# Altium PCB RTv1.4.PcbDoc (part 2 of 2)
Units mm, origin at the board's own origin, x right, y up, seen from the top; angles counter-clockwise.
Board outline 89.43 x 42.95 mm, 4 copper layers (Top Layer, Layer GND, Layer VCC, Bottom Layer), stack 0.568 mm thick; 131 components, 210 nets, 644 pads, 229 vias.
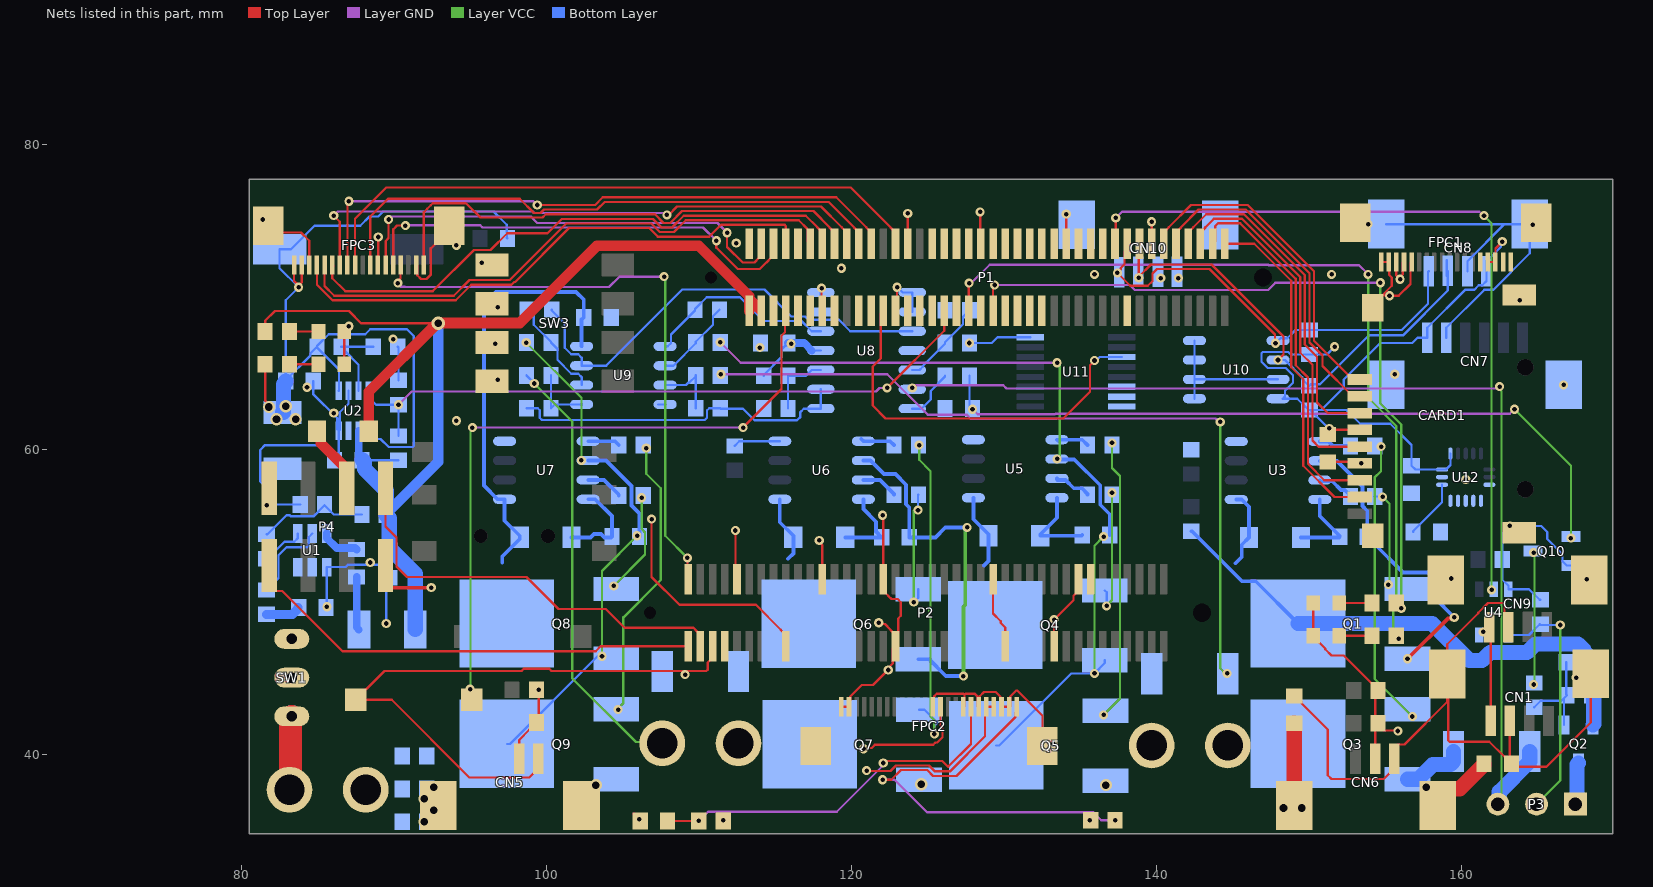
[diagram p4: the nets of this part, all layers, seen from the top]

## Via types
v1: diameter 0.6, hole 0.3, Top Layer to Bottom Layer, tented both sides, 210 vias
v2: diameter 0.8, hole 0.5, Top Layer to Bottom Layer, tented both sides, 14 vias
v3: diameter 0.6, hole 0.3, Top Layer to Bottom Layer, 4 vias
v4: diameter 0.9, hole 0.5, Top Layer to Bottom Layer, tented both sides, 1 vias

## Nets (pads, with @x,y where several pads share a name; then routed paths per layer and width w, separated by ;. In a path a pad name is that pad's centre, name@x,y a point inside that pad or via, vN(x,y) a via of type N, cw(c..) or ccw(c..) an arc to the next point about the centre after c; other vN are vias at no path point) (continued)
GND: C2.1 C3.1 C4.1 C5.1 C11.1 C12.1 C13.1 C14.1 C15.1 C17.1 C18.2 CARD1.6 CARD1.10 CARD1.11 CARD1.12 CARD1.13 CN1.2 CN1.5 CN1.6 CN2.2 CN5.1 CN6.1 CN7.2 CN7.7 CN7.8 CN8.2 CN8.5 CN8.6 CN9.2 CN9.5 CN9.6 CN10.2 CN10.5 CN10.6 FPC1.1 FPC1.2 FPC1.5 FPC1.14 FPC1.17 FPC1.18 FPC1.19 FPC1.20 FPC2.1 FPC2.2 FPC2.13 FPC2.17 FPC2.19 FPC2.22 FPC2.23 FPC2.25 FPC2.26 FPC3.2 FPC3.7 FPC3.16 FPC3.19 FPC3.20 KEY1.1 L3.1 L5.1 LED1.2 LED2.2 P1.13 P1.18 P1.27 P1.38 P1.41 P1.53 P1.54 P1.76 P1.79 P2.15 P2.20 P2.28 P2.29 P2.46 P2.47 P2.57 P2.64 P2.71 P2.76 P4.2 Q10.2 R5.1 R8.2 R10.2 R16.1 R32.1 R41.1 R45.1 R50.1 R51.1 R52.1 R59.1 R60.1 SW3.5 SW3.6 SW3.7 U1.1 U2.4 U2.6 U3.4 U4.3 U5.4 U6.4 U7.4 U8.11 U9.4 U10.1 U10.2 U10.3 U10.4 U10.7 U11.6 U11.7 U11.8 U12.8 U12.9 U12.10 U12.11 U12.12 U12.13 U12.15 | length 268.7
  Top Layer w0.15: FPC3.19@81.76,74.687 82.197,74.25 83.9,74.25 84.45,73.7 FPC3.16@84.45,72.112 ; LED2.2@86.75,65.6 LED1.2@86.75,67.75 ; FPC3.7@88.95,72.112 88.963,72.125 88.963,73.937 v1(88.975,73.95) ; FPC3.2@91.45,72.112 91.525,72.037 91.525,71.444 91.77,71.2 92.131,71.2 92.423,71.492 92.423,73.22 93.64,74.437 FPC3.20@93.64,74.687 ; CN5.1@99.463,39.744 99.463,39.094 98.873,38.504 94.946,38.504 89.85,43.6 KEY1.1@87.5,43.6 87.5,43.65 88.125,44.275 88.175,44.275 89.383,45.483 98.366,45.483 98.508,45.625 100.192,45.625 100.334,45.483 110.487,45.483 110.575,45.571 110.575,46.025 110.9,46.35 P2.76@110.9,47.1 ; C15.1@105.725,36.125 106.15,35.7 C15.1@106.15,35.65 ; v1(106.9,55.45) 106.9,51.65 108.725,49.825 113.743,49.825 115.375,48.193 115.375,48.175 115.7,47.85 P2.64@115.7,47.1 ; v1(112.4,54.7) 112.4,51.6 P2.71@112.5,51.5 P2.71@112.5,50.75 ; FPC2.26@117.66,40.563 117.66,40.66 117.75,40.75 FPC2.26@117.75,40.222 ; v1(117.9,54.05) 117.9,53.928 118.1,53.728 P2.57@118.1,51.5 P2.57@118.05,51.45 ; FPC2.1@119.35,43.138 FPC2.2@119.85,43.138 119.85,43.5 119.925,43.575 119.925,43.806 120.684,44.565 121.415,44.565 122.4,45.55 v1(122.421,45.55) 122.421,45.672 122.725,45.976 122.725,46.775 122.8,46.85 122.725,46.925 P2.46@122.9,47.1 122.9,47.65 122.9,47.85 P2.46@122.737,48.013 ; v1(121.8,48.65) 121.886,48.564 122.204,48.564 122.575,48.193 122.575,48.175 P2.46@122.737,48.013 ; v1(122.05,55.7) 122.1,55.65 P2.47@122.1,51.5 122.1,50.75 122.425,50.425 122.425,50.407 122.628,50.203 123.047,50.203 123.25,50 123.25,49.1 123.075,48.925 123.075,48.025 123.062,48.013 P2.46@122.737,48.013 ; P1.53@123.7,73.5 v1(123.7,75.5) ; FPC2.13@125.35,43.138 125.425,43.212 125.425,43.806 125.607,43.988 127.362,43.988 127.425,43.925 ; FPC2.17@127.35,43.138 127.425,43.212 127.425,43.925 ; v1(128.45,75.6) 128.45,73.55 P1.41@128.5,73.5 ; P2.29@129.3,51.5 129.3,49.25 129.8,48.75 129.8,48.628 130.1,48.328 P2.28@130.1,47.1 ; FPC2.25@132.54,40.313 FPC2.25@132.54,40.563 132.54,42.541 130.877,44.203 130.822,44.203 130.425,43.806 130.425,43.212 FPC2.23@130.35,43.138 FPC2.22@129.85,43.138 129.775,43.213 129.775,43.806 129.48,44.1 128.7,44.1 128.425,43.825 128.425,43.212 FPC2.19@128.35,43.138 128.275,43.213 128.275,43.806 128.081,44 127.5,44 127.425,43.925 ; P2.20@133.3,47.1 v1(133.3,48.85) 134.575,50.125 134.575,50.425 134.9,50.75 P2.15@134.9,51.5 ; P1.27@134.1,73.5 v1(134.1,75.45) ; P1.13@139.7,73.5 v1(139.7,74.95) ; L5.1@149.05,43.85 149.1,43.85 149.525,43.425 149.525,43.375 151.249,41.651 151.249,38.653 151.502,38.4 154.92,38.4 155.613,39.094 CN6.1@155.613,39.744 155.613,40.394 155.888,40.669 156.294,40.669 159.095,43.47 159.095,44.905 159.15,44.85 159.15,40.938 159.238,40.85 161.85,40.85 162.825,39.875 162.875,39.875 L3.1@163.186,39.564 ; C14.1@151.25,59.2 153.247,59.2 CARD1.6@153.347,59.1 ; CARD1.13@154.2,69.301 154.2,69.501 CARD1.13@154.825,70.126 ; FPC1.18@154.75,72.312 FPC1.17@155.25,72.312 155.288,72.275 155.288,71.462 155.45,71.3 155.45,70.751 CARD1.13@154.825,70.126 ; v1@155.157,70.126 CARD1.13@154.825,70.126 ; v1(155.3,70.1) 155.9,70.1 156.675,70.875 156.675,72.237 FPC1.14@156.75,72.312 ; CN1.6@158.64,45.75 CN1.6@159.095,45.295 159.095,47.245 161.122,49.272 161.122,49.31 161.762,49.95 162.762,49.95 162.85,49.862 162.85,48.593 CN9.2@163.086,48.356 ; CN1.2@163.186,42.206 L3.1@163.186,39.564 ; CN1.5@168.505,45.296 168.505,42.105 165.6,39.2 163.5,39.2 L3.1@163.3,39.4 163.3,39.45 L3.1@163.186,39.564
  Bottom Layer w0.15: v1(81.65,56.35) v1@81.65,56.4 ; R5.1@83.85,56.4 v1@81.65,56.4 ; C5.1@84.7,64.5 84.7,63.65 86.275,62.075 86.275,61.345 U2.4@86.38,61.24 ; C3.1@85.55,49.65 v1(85.6,49.7) U1.1@85.6,52.3 86.832,52.3 86.982,52.45 89,52.45 89.225,52.225 89.225,52.025 89.65,51.6 89.5,51.45 v1(89.5,48.6) ; U2.6@87.02,63.86 87.02,63.02 86.45,62.45 86.45,61.31 U2.4@86.38,61.24 ; R10.2@90.25,66.75 90.3,66.7 R8.2@90.3,64.55 ; U9.4@107.331,62.969 U9.4@107.79,62.969 ; R51.1@112.35,60.25 112.655,60.555 U6.4@115.31,60.555 ; U10.1@142.51,63.345 U10.2@142.51,64.615 ; U10.4@142.51,67.155 U10.3@142.51,65.885 U10.2@142.51,64.615 ; U10.7@147.99,64.615 U10.2@142.51,64.615 ; CN8.5@155.095,74.796 CN8.5@155.095,74.796 162.852,74.795 ; CN7.2@159.025,67.343 159.025,67.995 161.512,70.481 162.107,70.481 164.505,72.88 CN8.6@164.505,74.795 162.852,74.795 ; CN8.2@160.414,71.706 160.414,72.356 162.852,74.795 ; R16.1@165.2,50.15 165.15,50.15 164.45,50.85 U4.3@163.1,50.85 163.1,51.075 162.7,51.475 R50.1@162.7,52.8 162.7,54.5 v1(163.2,55) 165.25,55 165.65,54.6 165.65,54.137 166.65,53.138 166.65,52.675 166.925,52.4 Q10.2@167.2,52.4 167.475,52.4 168.164,51.711 168.164,51.586 v1(168.25,51.5) ; v1@81.65,56.4 81.65,57.482 81.225,57.907 81.225,59.975 81.55,60.3 85.15,60.3 86.01,59.44 86.24,59.44 86.38,59.58 U2.4@86.38,61.24
  other v1: 106.1,35.75 133.25,40.7 167.55,45.05 109.1,45.25 159.35,51.55 88.45,52.6 160.3,58.05 153.45,59.1 86.05,62.4 84.3,64.1 166.725,64.253 155.65,64.95 114,66.7 96.65,66.95 89.95,67.25 87.05,68.1 96.8,69.35 163.85,69.8 140.3,71.25 135.95,71.5 151.5,71.5 119.35,71.9 95.75,72.25 94.1,73.4 112.45,73.55 164.7,74.75 153.9,74.8 81.4,75.1
  other v3: 94.1,61.9
H1_SEMC_A3: P2.13
H2_SD1_D2: CARD1.1 P1.11 | length 21.8
  Top Layer w0.15: P1.11@140.5,73.5 140.5,74.25 140.825,74.575 140.825,74.593 142.282,76.05 146,76.05 150.35,71.7 150.35,67.147 152.897,64.6 CARD1.1@153.347,64.6
H3_SEMC_DM0: P1.34
H4_SEMC_D7: P1.32
H5_SEMC_D6: P1.36
H11_CSI_D4/COL1: FPC3.10 P1.55 | length 41.3
  Top Layer w0.15: FPC3.10@87.45,72.112 87.45,75.149 89.501,77.2 119.968,77.2 122.575,74.593 122.575,74.575 122.9,74.25 P1.55@122.9,73.5
H12_CSI_D5/ROW1: FPC3.11 P1.59 | length 40.5
  Top Layer w0.15: FPC3.11@86.95,72.112 86.95,76.2 v1(87.05,76.3) ; v1(99.4,76.05) 103.2,76.05 103.7,76.55 119.018,76.55 120.975,74.593 120.975,74.575 121.3,74.25 P1.59@121.3,73.5
  Layer GND w0.15: v1(87.05,76.3) 99.15,76.3 v1(99.4,76.05)
H13_CSI_D9/ROW3: FPC3.15 P1.73 | length 36.2
  Top Layer w0.15: FPC3.15@84.95,72.112 84.95,70.814 85.965,69.8 94.05,69.8 95.075,70.825 97.717,70.825 97.892,71 97.95,71 101.485,74.535 106.749,74.535 107.31,73.975 110.683,73.975 111.458,74.75 115.628,74.75 115.7,74.678 P1.73@115.7,73.5
H14_CAN2_TX/ADC: P1.58 U11.3 | length 25.9
  Top Layer w0.15: P1.58@122.1,69.1 121.925,68.925 121.925,65.975 121.4,65.45 121.4,62.9 122.25,62.05 133.9,62.05 135.65,63.8 135.65,65.537 135.95,65.837 v1(135.95,65.85)
  Bottom Layer w0.15: v1(135.95,65.85) 136.072,65.85 136.297,66.075 U11.3@137.75,66.075
J1_SD1_D0/SPI1_D0: CARD1.7 P1.3 | length 24.4
  Top Layer w0.15: P1.3@143.7,73.5 143.873,73.673 143.873,74.673 144.05,74.85 145.503,74.85 149.15,71.203 149.15,65.539 149.95,64.739 149.95,59.074 151.024,58 CARD1.7@153.347,58
J2_SD1_D3: CARD1.2 P1.9 | length 21.6
  Top Layer w0.15: P1.9@141.3,73.5 141.3,74.25 141.625,74.575 141.625,74.593 142.782,75.75 145.876,75.75 150.05,71.576 150.05,67.023 150.9,66.173 150.9,65.497 152.897,63.5 CARD1.2@153.347,63.5
J3_SD1_CLK0/SPI1_CS0: CARD1.5 P1.5 | length 23.7
  Top Layer w0.15: P1.5@142.9,73.5 142.9,73.6 142.8,73.7 142.8,74.15 143.225,74.575 143.225,74.593 143.782,75.15 145.627,75.15 149.45,71.327 149.45,66.364 150.25,65.564 150.25,60.6 150.65,60.2 CARD1.5@153.347,60.2
J4_SD1_CMD/SPI1_SCLK: CARD1.3 P1.7 | length 22.3
  Top Layer w0.15: P1.7@142.1,73.5 142.1,74.25 142.425,74.575 142.425,74.593 143.282,75.45 145.751,75.45 149.75,71.451 149.75,66.899 150.55,66.099 150.55,63.1 151.25,62.4 CARD1.3@153.347,62.4
J11_I2C1_SCL: P1.68 U8.6 U8.7 | length 3.1
  Top Layer w0.15: v1(118.05,70.6) 118.05,69.15 P1.68@118.1,69.1
  Bottom Layer w0.15: U8.6@118,69.04 U8.7@118,70.31 118,70.55 v1(118.05,70.6)
J12_CSI_VSYNC: FPC3.6 P1.77 | length 30.2
  Top Layer w0.15: FPC3.6@89.45,72.112 89.457,72.119 89.457,73.689 89.65,73.882 89.65,74.95 v1@89.55,75.05 ; v1(111.85,74.225) 111.85,73.3 112.875,72.275 113.643,72.275 113.775,72.407 113.775,72.425 114.1,72.75 P1.77@114.1,73.5
  Layer GND w0.15: v1@89.7,75.3 98.983,75.3 99.408,74.875 111.225,74.875 111.85,74.25 v1(111.85,74.225)
  other v1: 89.65,75.1
J13_CSI_D6/COL2: FPC3.12 P1.63 | length 39
  Top Layer w0.15: v1(86.05,75.35) 86.45,74.95 FPC3.12@86.45,72.112 ; v1(107.9,75.4) 108.019,75.4 108.569,75.95 118.018,75.95 119.375,74.593 119.375,74.575 119.7,74.25 P1.63@119.7,73.5
  Layer GND w0.15: v1(86.05,75.35) 86.063,75.35 86.338,75.625 99.083,75.625 99.183,75.525 107.775,75.525 v1(107.9,75.4)
J14_CSI_D2/COL0: FPC3.8 P1.61 | length 38
  Top Layer w0.15: FPC3.8@88.45,72.112 88.45,75.3 89.612,76.462 98.245,76.462 99.183,75.525 99.617,75.525 99.842,75.75 103.324,75.75 103.824,76.25 118.518,76.25 120.175,74.593 120.175,74.575 120.521,74.229 120.521,73.5 P1.61@120.5,73.5
K1_SD1_D1/SPI1_D1: CARD1.8 P1.1 | length 22.4
  Top Layer w0.15: P1.1@144.5,73.5 146.429,73.5 148.85,71.079 148.85,65.414 149.65,64.614 149.65,58.95 151.7,56.9 CARD1.8@153.347,56.9
K7_ON_REQ: P1.48 R7.2 R8.1 U2.8 | length 43.8
  Top Layer w0.15: v1(122.35,64.05) 126.1,67.8 P1.48@126.1,69.1
  Layer GND w0.15: v1(90.3,62.95) 91.167,63.817 121.617,63.817 121.85,64.05 v1(122.35,64.05)
  Bottom Layer w0.15: U2.8@88.32,63.86 88.32,63.45 88.82,62.95 v1(90.3,62.95) R7.2@90.3,60.9
K10_CSI_HSYNC: FPC3.5 P1.75 | length 30
  Top Layer w0.15: FPC3.5@89.95,72.112 89.95,74.45 90.2,74.7 v1(90.75,74.7) ; v1(111.15,73.7) 111.15,73.25 112.55,71.85 114,71.85 114.425,72.275 114.443,72.275 114.575,72.407 114.575,72.425 114.9,72.75 P1.75@114.9,73.5
  Layer GND w0.15: v1(90.75,74.7) 90.775,74.725 95.667,74.725 95.817,74.575 110.275,74.575 v1(111.15,73.7)
K11_I2C1_SDA: P1.66
K12_CSI_MCLK: P1.71 | length 0.8
  Top Layer w0.15: P1.71@116.5,73.5 P1.71@116.5,74.25
K14_UART1_TXD: P2.78 P4.8 | length 28
  Top Layer w0.15: P4.8@89.44,57.48 89.44,54.968 90.165,54.243 90.165,52.335 90.85,51.65 98.7,51.65 100.8,49.55 103.9,49.55 105.125,48.325 109.643,48.325 109.775,48.193 109.775,48.175 110.1,47.85 P2.78@110.1,47.1
L3_FlexSPI__A_SS0: P1.29
L4_FlexSPI_A_CLK: P1.31
L5_FlexSPI_D3_B: P1.23
L6_WAKEUP: P1.40 R46.2 | length 49.4
  Top Layer w0.15: P1.40@129.3,69.1 129.3,70.7 v1(129.4,70.8) v1@129.5,70.9
  Layer GND w0.15: v1(129.4,70.8) 138.269,70.8 138.594,70.475 147.342,70.475 147.817,70.95 v1(154.7,70.95)
  Layer VCC w0.15: v1(154.7,70.95) 154.7,63.024 156.075,61.649 v1(156.075,49.6)
L7_PERI_PWREN: P1.44 R48.2 | length 53.7
  Top Layer w0.15: P1.44@127.7,69.1 127.7,70.85 127.727,70.877 v1(127.727,70.925)
  Layer GND w0.15: v1(127.727,70.925) 127.875,70.925 129.075,72.125 147.342,72.125 147.367,72.1 153.3,72.1 v1(153.9,71.5)
  Layer VCC w0.15: v1(153.9,71.5) 153.9,63.4 155.75,61.55 155.75,50.2 155.55,50 155.55,47.992 155.9,47.642 v1(155.9,47.6)
L10_CAN2_RX: P1.56 U8.8 U8.9 | length 4
  Top Layer w0.15: P1.56@122.9,69.1 123,69.2 v1(123,70.65)
  Bottom Layer w0.15: v1(123,70.65) 123.031,70.65 123.371,70.31 U8.8@124,70.31 U8.9@124,69.04
L11_UART2_TXD: P1.62
L12_CSI_PIXCLK: FPC3.1 P1.65 | length 33
  Top Layer w0.15: FPC3.1@91.95,72.112 91.95,75.566 92.185,75.8 92.415,76.031 92.547,76.162 94.733,76.162 95.671,75.225 99.742,75.225 99.952,75.435 107.122,75.435 107.683,74.875 108.117,74.875 108.892,75.65 117.518,75.65 118.575,74.593 118.575,74.575 118.9,74.25 P1.65@118.9,73.5
L13_CSI_D7/ROW2: FPC3.13 P1.67 | length 36.8
  Top Layer w0.15: FPC3.13@85.95,71.75 85.95,71.25 86.8,70.4 92.552,70.4 95.247,73.095 96.327,73.095 97.432,74.2 100.076,74.2 101.011,75.135 106.998,75.135 107.558,74.575 108.242,74.575 109.017,75.35 117.018,75.35 117.775,74.593 117.775,74.575 118.1,74.25 P1.67@118.1,73.5 ; FPC3.13@85.95,72.112 FPC3.13@86.025,72.037
L14_UART1_RXD: P2.80 P4.1 | length 30.7
  Top Layer w0.15: P4.1@81.82,52.4 81.82,51.15 82.245,50.725 82.675,50.725 86.625,46.775 103.233,46.775 103.558,47.1 P2.80@109.3,47.1
LPI2C1.SCL: CN8.3 CN10.3 P1.15 R42.1 U10.6 | length 32.6
  Top Layer w0.15: v3(138.85,71.275) v3@138.85,71.35 ; P1.15@138.9,73.5 138.85,73.45 138.85,73 v3@138.85,71.35 ; v1(147.99,65.885) 148.35,66.245 148.35,67.424 143.624,72.15 139.65,72.15 v3@138.85,71.35
  Bottom Layer w0.15: v1(147.99,65.885) 148.449,65.885 149.575,64.759 149.575,64.625 150,64.2 R42.1@150.05,64.2 150.137,64.287 150.737,64.287 153.948,67.498 156.182,67.498 159.123,70.44 CN8.3@159.123,71.473 ; CN8.3@159.05,72.444 159.05,71.4 CN8.3@159.123,71.473 ; CN8.3@159.123,71.721 CN8.3@159.123,71.473
LPI2C1.SDA: CN8.4 CN10.4 P1.17 R43.1 U10.5 | length 29.3
  Top Layer w0.15: P1.17@138.1,72.75 138.1,73.125 137.925,72.95 137.925,72.167 137.665,71.908 137.665,71.815 v3(137.45,71.6) 138.3,70.75 139.45,70.75 139.75,71.05 139.75,71.55 140.05,71.85 143.5,71.85 147.788,67.562 147.788,67.016 v1(147.825,66.979)
  Bottom Layer w0.15: v1(147.825,66.979) 147.829,66.979 147.99,67.14 U10.5@147.99,67.155 148.005,67.155 148.2,67.35 148.248,67.302 148.596,67.302 149.144,67.85 R43.1@150.05,67.85 156.109,67.85 157.826,69.567 157.826,71.656 CN8.4@157.874,71.704
LPUART6.TX: FPC3.4 P2.79 | length 39.7
  Top Layer w0.15: v1(90.258,70.925) 90.258,71.047 90.432,71.221 90.432,72.094 FPC3.4@90.45,72.112 ; v1(109.25,52.9) 109.25,51.55 P2.79@109.3,51.5
  Layer GND w0.15: v1(90.258,70.925) 90.337,70.846 90.337,70.775 90.425,70.687 90.425,70.684 90.727,70.684 90.74,70.671 104.112,70.671 104.791,71.35 v1(107.725,71.35)
  Layer VCC w0.15: v1(107.725,71.35) 107.8,71.275 107.8,54.35 v1(109.25,52.9)
M3_FlexSPI_D1_B: P1.19 U4.2 | length 51.1
  Top Layer w0.15: P1.19@137.3,73.5 137.35,73.55 v1(137.35,75.2)
  Layer GND w0.15: v1(137.35,75.2) 137.75,75.6 161.187,75.6 161.437,75.35 v1(161.5,75.35) 161.5,75.23 v1@161.591,75.139
  Layer VCC w0.15: v1(161.5,75.35) 161.5,75.337 161.988,74.85 161.988,50.812 v1(162,50.8)
M4_FlexSPI_D0_B: P1.21
M5_FlexSPI_D2_B: P1.25
M6_ONOFF: P1.42
M7_POR_B: P1.46
M9_VDD_SNVS_IN: P2.74
M12_UART2_RXD: P1.60
M13_CSI_D8/COL3: FPC3.14 P1.69 | length 37.1
  Top Layer w0.15: FPC3.14@85.45,72.112 85.45,70.739 86.089,70.1 93.926,70.1 94.951,71.125 97.593,71.125 101.304,74.835 106.874,74.835 107.434,74.275 108.366,74.275 109.141,75.05 116.55,75.05 117.125,74.475 117.125,73.675 P1.69@117.3,73.5
motor_I_l+: CN3.2 R14.2 R34.1 | length 50.8
  Layer GND w0.15: v1(111.45,64.95) 122.358,64.95 125.008,62.3 127.558,62.3 127.833,62.025 133.492,62.025 133.517,62.05 143.887,62.05 144.112,61.825 v1(144.2,61.825)
  Layer VCC w0.15: v1(144.2,61.825) 144.2,45.665 144.54,45.325 v1(144.65,45.325)
motor_I_l-: C7.1 Q4.3 Q5.4 R14.1 R33.1 U5.6 | length 54.9
  Layer GND w0.15: v1(111.4,67.05) 112.75,65.7 v1(133.5,65.7)
  Layer VCC w0.15: v1(133.5,59.4) 133.675,59.575 133.675,65.525 v1(133.5,65.7) ; v1(135.95,45.325) 135.95,53.7 v1(136.55,54.3)
  Bottom Layer w0.15: Q5.4@129.5,40.6 129.7,40.6 134.425,45.325 v1(135.95,45.325) 136.63,46.005 Q4.3@136.63,46.185
  Bottom Layer w0.25: U5.6@133.49,59.385 133.51,59.365 134.624,59.365 136.325,57.664 136.325,56.386 136.95,55.761 C7.1@136.95,54.4
motor_I_r+: CN4.2 R22.2 R38.1 | length 29.5
  Layer VCC w0.15: v1(99.208,64.342) 101.7,61.85 101.7,45 105.874,40.826 107.524,40.826 CN4.2@107.599,40.75
  Layer VCC w0.25: CN4.2@107.25,41.35 107.599,41.001 CN4.2@107.599,40.75
  Bottom Layer w0.15: R38.1@98.7,64.874 99.208,64.366 v1(99.208,64.342)
motor_I_r-: C9.1 Q8.3 Q9.4 R22.1 R37.1 U7.6 | length 33.8
  Layer VCC w0.15: v1(98.679,67.021) 102.3,63.4 v1(102.3,59.3) ; v1(103.65,46.45) 103.65,52.05 v1(105.95,54.35)
  Bottom Layer w0.15: Q9.4@97.41,40.7 97.61,40.7 103.36,46.45 v1(103.65,46.45)
  Bottom Layer w0.25: U7.6@102.74,59.285 103.904,59.285 105.575,57.614 105.575,56.336 106.1,55.811 C9.1@106.1,54.3
N4_FlexSPI_D1_A: P1.35
N6_OTG1_VBUS: P1.50
N13_CLK1_OUT_P: P1.72
NetC1_1: C1.1 L1.1 U1.2 | length 3.5
  Bottom Layer w0.5: C1.1@87.55,51.65 87.55,48.35 L1.1@87.7,48.2
NetC1_2: C1.2 U1.6 | length 2.6
  Bottom Layer w0.5: U1.6@85.6,54.5 85.6,54.202 86.25,53.552 87.448,53.552 C1.2@87.55,53.45
NetC6_1: C6.1 CN3.1 Q1.3 Q3.4 U3.6 | length 19.9
  Top Layer w0.15: v1@159.464,48.914 v1(159.55,49)
  Top Layer w0.25: v1(156.48,46.285) 159.128,48.933 159.445,48.933 v1@159.464,48.914
  Bottom Layer w0.25: U3.6@150.73,59.27 150.75,59.25 151.864,59.25 153.531,57.583 153.531,56.305 153.84,55.996 C6.1@153.84,54.285 153.84,54.235 154.215,53.86 154.265,53.86 156.185,51.94 158.094,51.94 158.255,51.779 158.255,50.295 v1(159.55,49)
NetC6_2: C6.2 D1.1 U3.8 | length 5.6
  Bottom Layer w0.25: D1.1@149.49,54.235 151.99,54.235 C6.2@152.04,54.285 152.04,54.335 150.73,55.645 U3.8@150.73,56.73
NetC7_2: C7.2 D2.1 U5.8 | length 5.7
  Bottom Layer w0.25: U5.8@133.49,56.845 133.49,55.54 132.4,54.45 D2.1@132.4,54.35 135.1,54.35 C7.2@135.15,54.4
NetC8_1: C8.1 CN4.1 Q6.3 Q7.4 U6.6 | length 24.3
  Layer VCC w0.25: v1(127.35,45.15) 127.35,49.679 127.475,49.804 127.475,54.775 v1(127.6,54.9)
  Bottom Layer w0.25: U6.6@120.79,59.285 121.249,59.285 122.134,58.4 122.889,58.4 123.591,57.698 123.591,56.42 123.8,56.211 C8.1@123.8,54.25 125.515,54.25 126.165,54.9 v1(127.6,54.9) ; Q6.3@124.39,46.26 125.09,46.26 126.2,45.15 v1(127.35,45.15)
NetC8_2: C8.2 D3.1 U6.8 | length 5.4
  Bottom Layer w0.25: D3.1@119.6,54.25 C8.2@122,54.25 121.625,54.625 121.625,55.275 120.79,56.11 U6.8@120.79,56.745
NetC9_2: C9.2 D4.1 U7.8 | length 6.2
  Bottom Layer w0.25: D4.1@101.65,54.25 102.887,54.25 103.112,54.475 103.588,54.475 103.813,54.25 104.25,54.25 C9.2@104.3,54.3 104.3,55.644 103.199,56.745 U7.8@102.74,56.745
NetC11_2: C11.2 Q10.1 R30.2 | length 48
  Layer GND w0.15: v1(127.95,62.65) 127.963,62.65 128.288,62.325 133.367,62.325 133.392,62.35 163.187,62.35 163.487,62.65 v1(163.5,62.65)
  Layer VCC w0.15: v1(163.5,62.65) 167.2,58.95 v1(167.2,54.2)
  Bottom Layer w0.15: R30.2@127.75,64.85 127.75,62.9 C11.2@127.95,62.7
NetC15_2: C15.2 FPC2.18 R47.1 | length 24.8
  Top Layer w0.15: C15.2@107.95,35.65 v1(110,35.65) ; v1(122.1,39.45) 122.233,39.583 125.967,39.583 126.35,39.2 127.85,40.7 127.85,43.1 FPC2.18@127.85,43.138
  Layer GND w0.15: v1(110,35.65) 110.6,36.25 119.042,36.25 122.1,39.307 v1(122.1,39.45)
NetC17_2: C17.2 U12.14 | length 3.9
  Bottom Layer w0.15: C17.2@156.85,54.6 156.85,54.65 158.75,56.55 U12.14@158.75,57.7
NetCN2_1: CN2.1 SW1.1 | length 14.6
  Top Layer w1.5: CN2.1@83.15,37.7 83.225,37.775 83.225,42.435 SW1.1@83.3,42.51
  Layer GND w1.5: CN2.1@83.15,37.7 83.225,37.775 83.225,42.435 SW1.1@83.3,42.51
  Layer VCC w1.5: CN2.1@83.15,37.7 83.225,37.775 83.225,42.435 SW1.1@83.3,42.51
NetFPC2_24: FPC2.24 R49.2 | length 27.8
  Top Layer w0.15: v1(122.05,38.35) 122.626,38.35 123.259,38.983 124.975,38.983 125.358,38.6 126.905,38.6 130.775,42.469 130.775,42.7 130.85,42.775 FPC2.24@130.85,43.138
  Layer GND w0.15: v1(122.05,38.35) 122.834,38.35 124.959,36.225 135.867,36.225 136.392,35.7 v1(137.3,35.7)
NetL2_2: L2.2 U2.3
NetLED1_1: LED1.1 R1.1 | length 1.9
  Top Layer w0.15: R1.1@83.15,67.75 LED1.1@85.05,67.75
NetLED2_1: LED2.1 R2.1 | length 1.9
  Top Layer w0.15: R2.1@83.15,65.6 LED2.1@85.05,65.6
NetLED3_2: LED3.2 R46.1 | length 2.2
  Top Layer w0.15: LED3.2@152,49.95 R46.1@154.15,49.95
NetLED4_2: LED4.2 R48.1 | length 2.2
  Top Layer w0.15: LED4.2@152,47.8 R48.1@154.15,47.8
NetP3_1: P3.1 Q2.3 | length 2.8
  Bottom Layer w1: P3.1@167.49,36.75 167.595,36.855 167.595,39.345 Q2.3@167.7,39.45
NetP3_2: P3.2 R16.2 U4.4 | length 16.2
  Layer VCC w0.15: P3.2@164.95,36.75 166.5,38.3 v1(166.5,48.5) v1@166.55,48.55
  Bottom Layer w0.15: U4.4@163.1,47.85 164.45,47.85 165.15,48.55 165.2,48.5 v1(166.5,48.5)
NetQ1_1: Q1.1 R11.2 | length 6.5
  Layer VCC w0.15: v1(154.85,56.9) 155.3,56.45 155.3,51.225 v1(155.225,51.15)
  Bottom Layer w0.15: R11.2@154.34,56.935 154.815,56.935 v1(154.85,56.9)
NetQ3_1: Q3.1 R12.2 | length 18.9
  Layer VCC w0.15: v1(154.75,60.2) 154.75,58.593 154.325,58.168 154.325,44.975 v1(156.8,42.5)
NetQ4_1: Q4.1 R15.2 | length 8.6
  Layer VCC w0.15: v1(136.75,49.75) 136.75,49.792 137.1,50.142 v1(137.1,57.175)
  Bottom Layer w0.15: Q4.1@136.63,50.765 136.75,50.645 v1(136.75,49.75)
NetQ5_1: Q5.1 R17.2 | length 18.5
  Layer VCC w0.15: v1(136.55,42.6) 137.625,43.675 137.625,58.268 137.1,58.793 v1(137.1,60.45)
NetQ6_1: Q6.1 R18.2 | length 8.3
  Layer VCC w0.15: v1(124.1,50) 124.1,56.008 124.35,56.008 v1(124.375,56.033)
  Bottom Layer w0.15: v1(124.1,50) 124.39,50.29 Q6.1@124.39,50.84 ; v1(124.375,56.033) 124.375,57.025 R18.2@124.4,57.05
NetQ7_1: Q7.1 R19.2 | length 21.8
  Layer VCC w0.15: v1(124.45,60.3) 124.45,59.342 125.2,58.592 125.2,49.642 125.093,49.536 125.093,49.058 125.2,48.951 125.2,42.5 125.45,42.25 v1(125.45,41.35)
  Bottom Layer w0.15: Q7.1@124.44,42.94 124.796,42.94 125.65,42.086 125.45,41.886 v1(125.45,41.35)
NetQ8_1: Q8.1 R25.2 | length 6.7
  Layer VCC w0.15: v1(104.415,51.065) 106.475,53.125 106.475,54.567 106.25,54.792 v1(106.25,56.85)
NetQ9_1: Q9.1 R26.2 | length 18.7
  Layer VCC w0.15: v1(104.7,42.95) 104.7,43.042 105.05,43.392 105.05,49 107.5,51.45 107.5,57.468 106.55,58.418 v1(106.55,60.1)
NetQ10_3: Q10.3 R28.1 | length 8.7
  Layer VCC w0.15: v1(164.75,44.6) 164.812,44.662 164.812,53.188 v1(164.75,53.25)
NetR3_1: R3.1 R4.2 R5.2 | length 7.3
  Bottom Layer w0.15: R4.2@81.65,54.45 81.7,54.45 82.95,55.7 83.182,55.7 83.257,55.625 84.725,55.625 85.45,56.35 86.05,55.75 R3.1@87.9,55.75
NetR4_1: R4.1 U1.4 | length 2.9
  Bottom Layer w0.15: R4.1@81.65,52.85 81.7,52.85 82.815,53.965 83.465,53.965 83.7,54.2 U1.4@83.7,54.5
NetR6_1: R6.1 U1.5 | length 5.8
  Bottom Layer w0.15: R6.1@81.65,50.8 81.7,50.8 82.125,51.225 82.125,51.275 82.425,51.575 82.425,53.075 82.95,53.6 84.325,53.6 84.413,53.688 84.413,54.263 U1.5@84.65,54.5
NetR9_2: R9.2 R10.1 U2.7 | length 5.4
  Bottom Layer w0.15: R9.2@86.55,66.75 R9.2@86.75,66.75 ; U2.7@87.68,63.86 87.68,65.57 86.75,66.5 R9.2@86.75,66.75 ; R10.1@88.65,66.75 R9.2@86.75,66.75
NetR11_1: R11.1 U3.7 | length 2.5
  Bottom Layer w0.25: U3.7@150.73,58 150.797,57.933 151.542,57.933 152.115,57.36 152.365,57.36 152.74,56.985 R11.1@152.74,56.935
NetR12_1: R12.1 U3.5 | length 2.1
  Bottom Layer w0.25: U3.5@150.73,60.54 151.284,60.54 151.589,60.235 R12.1@152.74,60.235
NetR15_1: R15.1 U5.7 | length 2.5
  Bottom Layer w0.25: U5.7@133.49,58.115 133.49,58.056 133.527,58.019 134.045,58.019 134.589,57.475 135.125,57.475 135.5,57.1 R15.1@135.5,57.05
NetR17_1: R17.1 U5.5 | length 2.3
  Bottom Layer w0.25: U5.5@133.557,60.588 U5.5@133.49,60.655 135.145,60.655 R17.1@135.5,60.3
NetR18_1: R18.1 U6.7 | length 2.4
  Bottom Layer w0.25: U6.7@120.79,58.015 121.885,58.015 122.8,57.1 R18.1@122.8,57.05
NetR19_1: R19.1 U6.5 | length 2.3
  Bottom Layer w0.25: U6.5@120.65,60.7 U6.5@120.79,60.56 ; U6.5@120.79,60.555 U6.5@120.79,60.56 ; R19.1@122.8,60.3 122.545,60.555 120.795,60.555 U6.5@120.79,60.56
NetR25_1: R25.1 U7.7 | length 2.5
  Bottom Layer w0.25: U7.7@102.74,58.015 103.785,58.015 104.75,57.05 R25.1@104.75,57
NetR26_1: R26.1 U7.5 | length 2.1
  Bottom Layer w0.25: U7.5@102.74,60.555 104.495,60.555 R26.1@104.75,60.3
NetR29_1: R29.1 R32.2 U8.12 | length 5.8
  Bottom Layer w0.15: U8.12@124,65.23 124.477,65.23 124.685,65.438 124.685,65.485 126.15,66.95 R29.1@126.15,67 126.15,67.05 127.325,68.225 127.325,68.725 R32.2@127.75,69.15
NetR30_1: R30.1 U8.14 | length 3.4
  Bottom Layer w0.15: U8.14@124,62.69 124.599,62.69 125.205,63.296 125.205,63.855 126.15,64.8 R30.1@126.15,64.85
NetR31_1: R31.1 R33.2 U9.2 | length 5.5
  Bottom Layer w0.15: U9.2@107.79,65.509 108.335,65.509 109.8,66.974 R33.2@109.8,67.024 109.8,67.074 110.925,68.199 110.925,68.749 R31.1@111.35,69.174
NetR31_2: R31.2 U8.5 U9.1 | length 12.9
  Bottom Layer w0.15: U9.1@107.79,66.779 107.966,66.779 108.174,66.987 108.174,67.548 109.75,69.124 R31.2@109.75,69.174 109.75,69.224 110.526,70 112.7,70 114.2,68.5 114.2,68.438 116.733,68.438 117.401,67.77 U8.5@118,67.77
NetR34_2: R34.2 R35.2 U9.3 | length 4.4
  Bottom Layer w0.15: U9.3@107.79,64.239 109.165,64.239 109.325,64.399 109.375,64.399 R34.2@109.8,64.824 ; R35.2@109.8,62.724 R34.2@109.8,64.824 ; R34.2@109.8,64.874 R34.2@109.8,64.824
NetR36_1: R36.1 U8.10 U9.7 | length 29.6
  Bottom Layer w0.15: R36.1@100.35,69.174 100.35,69.124 101.204,68.27 101.204,66.683 101.634,66.254 102.09,66.254 102.31,66.034 U9.7@102.31,65.509 103.918,65.509 108.909,70.5 114.3,70.5 116.062,68.738 116.961,68.738 117.184,68.515 119.185,68.515 119.93,67.77 U8.10@124,67.77
NetR36_2: R36.2 R37.2 U9.6 | length 6.7
  Bottom Layer w0.15: R36.2@98.75,69.174 99.175,68.749 99.175,68.199 100.3,67.074 R37.2@100.3,67.024 100.725,66.599 100.725,65.893 101.634,64.984 102.09,64.984 102.31,64.764 U9.6@102.31,64.239
NetR38_2: R38.2 R40.2 U9.5 | length 4.3
  Bottom Layer w0.15: R38.2@100.3,64.874 R40.2@100.3,62.724 100.545,62.969 U9.5@102.31,62.969
NetR39_1: R39.1 R41.2 U8.3 | length 4.5
  Bottom Layer w0.15: R41.2@115.85,62.7 R39.1@115.85,64.85 117.021,64.85 117.401,65.23 U8.3@118,65.23
P3_FlexSPI_D0_A: P1.33
P4_FlexSPI_D2_A: P1.37
P5_FlexSPI_D3_A: P1.39
P6_OTG2_VBUS: P1.52
P13_CLK1_OUT_N: P1.70
PGND: CN5.5 CN5.6 CN6.5 CN6.6 L3.2 L5.2 Q3.3 Q5.3 Q7.3 Q9.3 R13.1 R52.2 R59.2 R60.2 | length 14
  Top Layer w1: CN6.5@149.045,36.654 149.047,36.656 149.047,42.05 L5.2@149.05,42.05 ; CN6.6@158.455,36.655 158.455,37.055 159.155,37.755 159.905,37.755 161.5,39.35 L3.2@161.5,39.4
  Bottom Layer w1: Q3.3@156.48,38.385 157.18,38.385 158.145,39.35 159.3,39.35 159.5,39.55 R13.1@159.5,40.2
  other v2: 92,35.6 92.6,36.35 148.35,36.5 149.55,36.5 92,37.1 92.6,37.85 157.7,37.85 103.25,38 136.7,38 124.592,38.058
POR_BUTTON: KEY1.2 P1.74 | length 44.8
  Top Layer w0.15: v1(95,44.3) 95,44.1 94.8,43.9 KEY1.2@95.1,43.6 ; v1(112.9,61.45) 115.425,63.975 115.425,67.475 115.65,67.7 115.65,69.05 P1.74@115.7,69.1
  Layer GND w0.15: v1(95.15,61.45) v1(112.9,61.45)
  Layer VCC w0.15: v1@95.025,61.45 95.025,44.225 v1@95.1,44.15
SERVO_I: P3.3 R13.2 U8.13 | length 70.6
  Layer GND w0.15: v1(124,64.05) 124.175,64.225 129.967,64.225 130.181,64.012 162.404,64.012 v1(162.528,64.136)
  Layer VCC w0.15: P3.3@162.41,36.75 162.65,36.99 162.65,63.826 162.493,63.983 162.528,64.017 v1(162.528,64.136)
  Bottom Layer w1: P3.3@162.41,36.75 162.506,36.846 162.506,37.556 164.5,39.55 R13.2@164.5,40.2
SERVO_PMOS_G: C10.1 Q2.1 R27.1 R28.2 | length 6.4
  Bottom Layer w0.15: R28.2@164.8,43.1 165.225,43.525 166.575,43.525 R27.1@166.75,43.7 ; Q2.1@166.75,41.95 R27.1@166.75,43.7 ; C10.1@166.9,46.05 166.9,43.95 R27.1@166.95,43.9 R27.1@166.75,43.7
SWD5V: D5.2 P4.6 | length 4.5
  Top Layer w0.7: D5.2@84.95,61.2 85.2,60.95 85.2,60.43 86.9,58.73 P4.6@86.9,57.48
USB2_N: P1.43
USB2_P: P1.45
USB_OTG_N: P1.47
USB_OTG_P: P1.49
V_CORE5V: C2.2 C4.2 D5.1 L1.2 P1.78 P1.80 R1.2 R3.2 R7.1 U2.2 | length 78
  Top Layer w0.15: R1.2@81.55,67.75 81.55,68.45 82.2,69.1 87.049,69.1 87.849,68.3 92.86,68.3 v4(92.9,68.3)
  Top Layer w0.7: D5.1@88.35,61.2 88.35,63.8 92.831,68.281 92.854,68.281 92.86,68.287 92.86,68.3 92.86,68.31 98.26,68.31 103.32,73.37 110.003,73.37 111.7,71.673 113.3,70.073 P1.80@113.3,69.1 ; P1.80@113.325,69.875 P1.78@113.998,69.202
  Bottom Layer w0.15: C4.2@87.95,59.3 R7.1@90.3,59.3
  Bottom Layer w0.5: C4.2@87.68,59.57 U2.2@87.68,61.24
  Bottom Layer w0.7: R3.2@89.5,55.75 89.5,55.8 92.9,59.2 v4(92.9,68.3)
  Bottom Layer w1: C4.2@87.9,59.35 87.95,59.3 88.075,59.175 88.075,58.725 89.5,57.3 R3.2@89.5,55.8 ; R3.2@89.5,55.7 89.7,55.5 C2.2@89.7,53.4 89.869,53.4 91.4,51.869 L1.2@91.4,48.2
VCC: C3.2 C10.2 C12.2 D1.2 D2.2 D3.2 D4.2 Q1.4 Q2.2 Q4.4 Q6.4 Q8.4 R6.2 R27.2 R44.2 SW1.2 SW1.3 U1.3 U3.1 U5.1 U6.1 U7.1 U9.8 | length 81.2
  Bottom Layer w0.25: 97.1,52.6 97.1,53 98.25,54.15 D4.2@98.25,54.25 98.25,54.35 97.26,55.34 U7.1@97.26,56.745 96.801,56.745 95.9,57.646 95.9,69.55 96.7,70.35 101.95,70.35 102.45,69.85 C12.2@102.45,68.674 102.31,68.534 U9.8@102.31,66.779 ; U6.1@115.31,56.745 115.31,55.24 116.2,54.35 D3.2@116.2,54.25 116.2,53.2 115.85,52.85 ; U5.1@128.01,56.845 128.01,55.44 129,54.45 D2.2@129,54.35 129,52.7 128.7,52.4 ; R44.2@142.3,54.65 142.35,54.65 145.625,51.375 146.525,51.375 Q1.4@149.3,48.6 ; 145.2,52.55 145.615,52.965 145.615,53.76 D1.2@146.09,54.235 146.09,56.254 145.614,56.73 U3.1@145.25,56.73
  Bottom Layer w0.6: R6.2@81.65,49.2 83.35,49.2 83.7,49.55 C3.2@83.7,49.65 ; SW1.2@83.3,45.05 83.377,45.05 SW1.2@83.7,45.373
  Bottom Layer w1: Q1.4@149.3,48.6 158.1,48.6 160.536,46.164 161.364,46.164 161.9,46.7 164.325,46.7 164.875,47.25 167.669,47.25 168.05,46.869 168.05,46.75 C10.2@168.7,46.1 ; Q2.2@168.65,41.95 168.7,42 C10.2@168.7,46.05
VCC3V3: BUZZER1.1 C5.2 C13.2 C14.2 C16.2 C18.1 CARD1.4 CN1.1 CN5.2 CN6.2 CN7.1 CN8.1 CN9.1 CN10.1 FPC1.3 FPC1.4 FPC1.15 FPC1.16 FPC2.14 FPC2.20 FPC2.21 FPC3.17 FPC3.18 L2.1 LED3.1 LED4.1 P4.7 R2.2 R9.1 R20.1 R21.1 R23.1 R24.1 R29.2 R39.2 R42.2 R43.2 R47.2 R49.1 SW3.8 U2.1 U2.5 U4.5 U8.4 U10.8 U11.16 U12.1 U12.16 | length 168.8
  Top Layer w0.15: R2.2@81.55,65.6 81.55,63.226 81.8,62.976 v2(81.8,62.8) ; FPC3.18@83.45,72.112 83.45,71.072 v1@83.75,70.772 ; v1(83.75,70.65) v1@83.75,70.772 ; FPC3.17@83.95,72.112 83.95,70.972 v1@83.75,70.772 ; P4.7@89.44,52.4 89.44,51.375 P4.7@89.865,50.95 ; CN5.2@98.214,39.744 98.214,40.964 98.875,41.625 98.925,41.625 99.5,42.2 v1(99.5,44.25) R21.1@99.35,44.25 ; v1(120.81,40.379) 120.869,40.438 121.335,40.438 121.547,40.65 125.376,40.65 125.526,40.8 125.642,40.8 125.975,41.133 125.975,41.797 125.85,41.923 FPC2.14@125.85,43.138 ; v1(121,38.95) 121.025,38.925 122.567,38.925 122.926,39.283 125.099,39.283 125.482,38.9 126.474,38.9 128.775,41.201 128.775,43.063 FPC2.20@128.85,43.138 FPC2.21@129.35,43.138 ; LED3.1@150.3,49.95 LED4.1@150.3,47.8 150.3,47.75 151.087,46.962 151.087,46.913 151.5,46.5 152.3,46.5 154.55,44.25 R24.1@154.55,44.2 154.364,44.014 CN6.2@154.364,39.744 ; C14.2@151.25,61 151.55,61.3 CARD1.4@153.347,61.3 ; R23.1@154.55,42.05 154.55,42 154.975,41.575 155.825,41.575 v1(155.85,41.55) ; FPC1.16@155.75,72.312 155.75,71.45 v1@156,71.2 ; v1(156,71.179) v1@156,71.2 ; FPC1.15@156.25,72.312 156.175,72.238 156.175,71.497 156,71.322 v1@156,71.2 ; v1(161.45,48.05) 161.53,48.05 CN9.1@161.837,48.356 161.937,48.256 CN1.1@161.937,42.206 ; FPC1.4@161.75,72.312 FPC1.3@162.25,72.312 162.25,73.2 v1(162.7,73.65)
  Top Layer w0.25: P4.7@89.865,50.95 v1(92.45,50.95)
  Bottom Layer w0.15: C5.2@82.9,64.5 C5.2@82.9,64.55 ; U2.5@86.38,63.86 86.395,63.875 86.395,65.255 84.95,66.7 R9.1@84.95,66.75 ; U2.1@88.32,61.24 88.32,60.83 88.445,60.705 89.127,60.705 89.657,60.175 91.212,60.175 91.3,60.263 91.3,67.45 90.85,67.9 88.45,67.9 88.125,67.575 85.725,67.575 84.95,66.8 R9.1@84.95,66.75 ; C16.2@97.45,73.85 97.4,73.9 97.4,74.75 96.525,75.625 89.296,75.625 88.971,75.3 88.4,75.3 87.788,74.687 84.787,74.687 83.25,73.15 BUZZER1.1@82.5,73.15 82.5,71.9 v1(83.75,70.65) 82.9,69.8 C5.2@82.9,64.55 ; R39.2@114.25,64.85 114.25,64.9 115.425,66.075 115.425,66.575 C13.2@115.85,67 ; U8.4@117.401,66.5 U8.4@118,66.5 ; v1(127.75,67) 129.213,67 129.588,67.375 U11.16@131.75,67.375 ; v1(151.35,61.4) 151.3,61.4 R42.2@150.1,62.6 ; v1(151.7,66.75) 151.2,66.25 R43.2@150.05,66.25 148.826,66.25 148.666,66.41 146.99,66.41 146.902,66.322 146.902,65.771 147.313,65.36 148.49,65.36 148.974,64.876 148.974,64.398 148.446,63.87 148.446,63.491 148.3,63.345 149.255,63.345 150,62.6 R42.2@150.05,62.6 R42.2@150.1,62.6 ; U12.1@159.3,59.75 159.3,58.992 159.008,58.7 U12.16@158.75,58.7 157,58.7 C18.1@156.75,58.95 156.75,60.3 155.35,61.7 153.388,61.7 152.487,62.6 150.825,62.6 ; v1(162.7,73.65) 162.614,73.564 162.614,73.307 161.663,72.356 CN8.1@161.663,71.706 161.663,71.056 161.388,70.781 161.157,70.781 160.857,70.481 160.262,70.481 157.775,67.995 CN7.1@157.775,67.343 157.143,67.343 156.8,67 154.702,67 152.303,64.601 152.303,64.078 150.825,62.6 ; C5.2@82.9,64.55 84.525,66.175 84.525,66.325 R9.1@84.95,66.75 ; R42.2@150.1,62.6 150.825,62.6
  Bottom Layer w0.5: C13.2@115.85,67 116.901,67 U8.4@117.401,66.5
  Bottom Layer w1: L2.1@82.7,62.45 82.75,62.45 82.75,64.3 82.9,64.45 C5.2@82.9,64.5
  other v1: 111.6,35.7 135.65,35.7 96.8,64.6 116.05,66.95
  other v2: 82.3,62 83.55,62 82.9,62.85
  other v3: 141.45,71.25
VREF1V65: R35.1 R40.1 U8.1 U8.2 | length 22.6
  Bottom Layer w0.15: R40.1@98.7,62.724 99.425,62.724 99.566,62.583 99.566,62.09 99.707,61.949 110.393,61.949 110.534,62.09 110.534,62.583 110.675,62.724 R35.1@111.4,62.724 111.434,62.69 112.892,62.69 113.657,61.925 116.443,61.925 116.66,62.141 116.66,62.474 116.876,62.69 U8.1@118,62.69 U8.2@118,63.96
pads on no net: CARD1. CARD1.9 FPC2.3 FPC2.4 P1.81 P1.82 P2.81 P2.82 SW2. U12.6 U12.7

## Polygon pours and split planes (outlines as drawn)
GND on Bottom Layer "trueGND" (solid, remove dead copper, pour order 22): 80.518,34.798 169.95,34.798 169.95,77.75 80.518,77.75
VCC on Bottom Layer "PGND" (solid, remove dead copper, pour order 18): 152.45,47.15 98.7,47.15 94.45,51.4 96.6,53.55 150.35,53.55 152.45,51.45
NetC1_1 on Bottom Layer "DC_VCC" (solid, remove dead copper, pour order 3): 88.4,49.4 88.3,49.5 87,49.5 86.2,48.7 85.25,48.7 85.25,52.9 84.35,52.9 84,52.55 84,48.05 84.7,47.35 86.5,47.35 86.9,46.95 88.4,46.95
motor_I_r- on Bottom Layer "PGND" (solid, remove dead copper, pour order 6): 108.35,44.1 108.05,43.8 103.05,43.8 100.35,41.1 95.15,41.1 95.15,41.75 100.4,47 105.9,47 105.95,47.05 106.1,47.05 106.3,46.85 108.45,46.85
PGND on Bottom Layer "PGND" (solid, remove dead copper, pour order 5): 91.55,34.85 158,34.85 158,39.15 156.6,40.55 91.55,40.55
NetC8_1 on Bottom Layer "PGND" (solid, remove dead copper, pour order 9): 125.95,47 125.95,45.6 124.1,43.75 122.95,43.75 119.55,40.35 115.6,40.35 115.55,40.4 115.55,42.65 118.5,45.6 120.25,45.6 121.7,47.05 123.9,47.05
NetL2_2 on Bottom Layer "DC_VCC" (solid, remove dead copper, pour order 4): 87.3,61.85 87.3,57.65 86.75,57.1 82.25,57.1 81.45,57.9 81.45,59.5 83.95,59.5 83.95,58.9 84.3,58.55 86.45,58.55 86.75,58.85 86.75,61.85
GND on Bottom Layer "GND_L04_P021" (solid, remove dead copper, pour order 21): 80.518,34.798
VCC on Bottom Layer "PGND" (solid, remove dead copper, pour order 17): 100.5,45.75 99.05,45.75 96.95,43.65 94.4,43.65 92.15,41.4 84.6,41.4 84.55,41.35 84.55,43.129 84.6,43.179 81.071,43.179 80.518,43.732 80.518,48.118 80.55,48.15 85.7,48.15 86.9,46.95 90.15,46.95 94.45,51.25 94.45,51.4
NetCN2_1 on Bottom Layer "PGND" (solid, remove dead copper, pour order 16): 84.6,40.5 85.675,39.425 85.798,34.798 80.518,34.798 80.518,43.732 80.5,43.75 84.6,43.179
GND on Bottom Layer "PGND" (solid, remove dead copper, pour order 15): 90.8,39.45
GND on Bottom Layer "PGND" (solid, remove dead copper, pour order 14): 91.1,39.75 91.1,39.1 91.1,34.8 85.8,34.8 85.8,39.25 86.95,40.4 91.067,40.4
NetC6_1 on Bottom Layer "PGND" (solid, remove dead copper, pour order 13): 158.05,47.1
NetC6_1 on Bottom Layer "PGND" (solid, remove dead copper, pour order 12): 157.95,45.5 156.3,43.85 154.9,43.85 150.2,39.15 142.85,39.15 142.7,39.3 142.7,41.35 142.9,41.35 147.2,45.65 152.45,45.65 153.9,47.1 158.05,47.1
motor_I_l+ on Bottom Layer "PGND" (solid, remove dead copper, pour order 11): 145.45,43.9 140.7,39.15 137.9,39.15 137.8,39.25 137.8,41.95 139.75,43.9 140.45,43.9 143.2,46.65 145.45,46.65
motor_I_l- on Bottom Layer "PGND" (solid, remove dead copper, pour order 10): 140.4,46.6 140.45,46.55 140.45,43.9 140.25,43.7 135.15,43.7 132.15,40.7 129.7,40.7 128.85,41.55 128.85,43.5 130.95,45.6 132.6,45.6 133.95,46.95 138.05,46.95
NetC8_1 on Bottom Layer "PGND" (solid, remove dead copper, pour order 8): 117.4,43.5 117.35,43.55 112.05,43.55 109.8,41.3 109.8,40.35 109.15,39.7 109.15,39.312 109.312,39.15 116.15,39.15
motor_I_r+ on Bottom Layer "PGND" (solid, remove dead copper, pour order 7): 113.35,46.85 111.1,46.85 106,41.75 106,39.15 106.05,39.1 109.15,39.1 109.15,39.7 109.8,40.35 109.8,41.3 112.7,44.2 113.25,44.2
VCC on Bottom Layer "DC_VCC" (solid, remove dead copper, pour order 2): 88.4,49.4
VCC on Bottom Layer "DC_VCC" (solid, pour order 0): 84,52.9 83.4,52.9 83.15,52.65 83.15,48.85 82.2,47.9 82.2,44.6 82.5,44.3 84.15,44.3 84.45,44.6 84.45,47.6 84,48.05
GND on Top Layer "trueGND" (solid, remove dead copper, pour order 20): 80.518,34.798 169.95,34.798 169.95,77.75 80.518,77.75
PGND on Top Layer "PGND" (solid, remove dead copper, pour order 19): 91.75,38.2 91.75,35.05 159.05,35.05 159.65,35.65 159.65,38.2 143.15,38.2 141.95,39.4 102.35,39.4 101.15,38.2
VCC3V3 on Layer VCC "trueVCC3V3" (solid, remove dead copper, pour order 24): 80.518,34.798 169.95,34.798 169.95,77.75 80.518,77.75
GND on Layer GND "trueGND" (solid, remove dead copper, pour order 23): 80.518,34.798 169.95,34.798 169.95,77.75 80.518,77.75

## Keep-outs
Keep-Out Layer:
  the board outline again, w0.15

## Silkscreen, mask and mechanical layers (free items; w line width, h text height)
Top Overlay:
  region: 130.128,63.732 134.255,63.732 134.255,63.757 134.255,63.783 134.255,64.494 136.554,63.224 134.255,61.928 134.255,62.69 130.128,62.69
  region: 130.128,78.134 134.255,78.134 134.255,78.159 134.255,78.184 134.255,78.896 136.554,77.626 134.255,76.33 134.255,77.092 130.128,77.092
  lines w0.2: 105.4,44.8 148.4,44.8 148.4,75.8 105.4,75.8 105.4,44.8
  lines w0.254: 69.2,85.9 69.5,85.6
  text "2020/8/11" at 101.3,76.218 h1.52
  text "SW1" at 92.45,70.121 h1.52
  text "ZZF&LT" at 84.95,69.471 h1.52
  text "SW0" at 92.4,68.971 h1.52
  text "5V" at 88.2,67.271 h1.52
  text "BM1" at 92.3,65.45 h1.52
  text "3V3" at 88.1,65.321 h1.52
  text "BM0" at 92.3,64.216 h1.52
  text "GND/DIO/5V/TX" at 111.8,63.521 h1.52
  text "RX/CLK/nRST/3V3" at 111.9,61.921 h1.52
  text "GND" at 80.85,59.621 h1.52
  text "LPUART4" at 151.55,52.121 h1.52
  text "LED2" at 148.85,50.9 h1.52
  text "ESP01s&SWD" at 81,49.521 h1.52
  text "RST" at 90.15,45.821 h1.52
  text "LED1" at 148.95,45.8 h1.52
  text "LPUART5" at 157.673,42.069 h1.52 r90
  text "PWM2 / SM2" at 100.6,39.9 h1.52
  text "ENC4" at 156.65,39.471 h1.52
  text "ENC3" at 91.15,39.421 h1.52
  text "G/pwm/V" at 164.3,38.545 h1.52
  text "LCD" at 123.5,35.721 h1.52
  text "PWM2 / SM1" at 138.9,35.15 h1.52
Bottom Overlay:
  lines w0.254: 94.45,36.25 94.45,36.35
  text "LPI2C1" at 146.779,76.7 h1.52 r90
  text "LPI2C1" at 167.179,76.55 h1.52 r90
  text "LPSPI4" at 169.279,67.3 h1.52 r90
Top Solder:
  circle w0.254: c136.7,38 r0.292
  circle w0.254: c124.592,38.058 r0.289
  circle w0.254: c82.3,62 r0.269
  circle w0.254: c81.8,62.8 r0.283
  circle w0.254: c82.9,62.85 r0.292
  circle w0.254: c83.55,62 r0.283
  circle w0.254: c92.9,68.3 r0.474
Bottom Solder:
  circle w0.254: c92.9,68.3 r0.461
Mechanical 1:
  the board outline again, w0.15

## Text inside footprints (layer, text, board x,y; h text height)
SW2: Top Overlay "D" at 101.756,57.423 h1 r270; Top Overlay "C" at 98.916,52.719 h1 r180; Top Overlay "B" at 93.374,54.629 h1 r270; Top Overlay "A" at 96.376,61.062 h1 r180
SW3: Top Overlay "ON" at 98.708,62.585 h0.7 r90